# Altium PCB SmartIMU_I2C_Pcb.PcbDoc
Units mil, origin at the board's own origin, x right, y up, seen from the top; angles counter-clockwise.
Board outline 1259.84 x 1653.54 mil, 2 copper layers (Top Layer, Bottom Layer), stack 65.354 mil thick; 70 components, 84 nets, 343 pads, 168 vias.
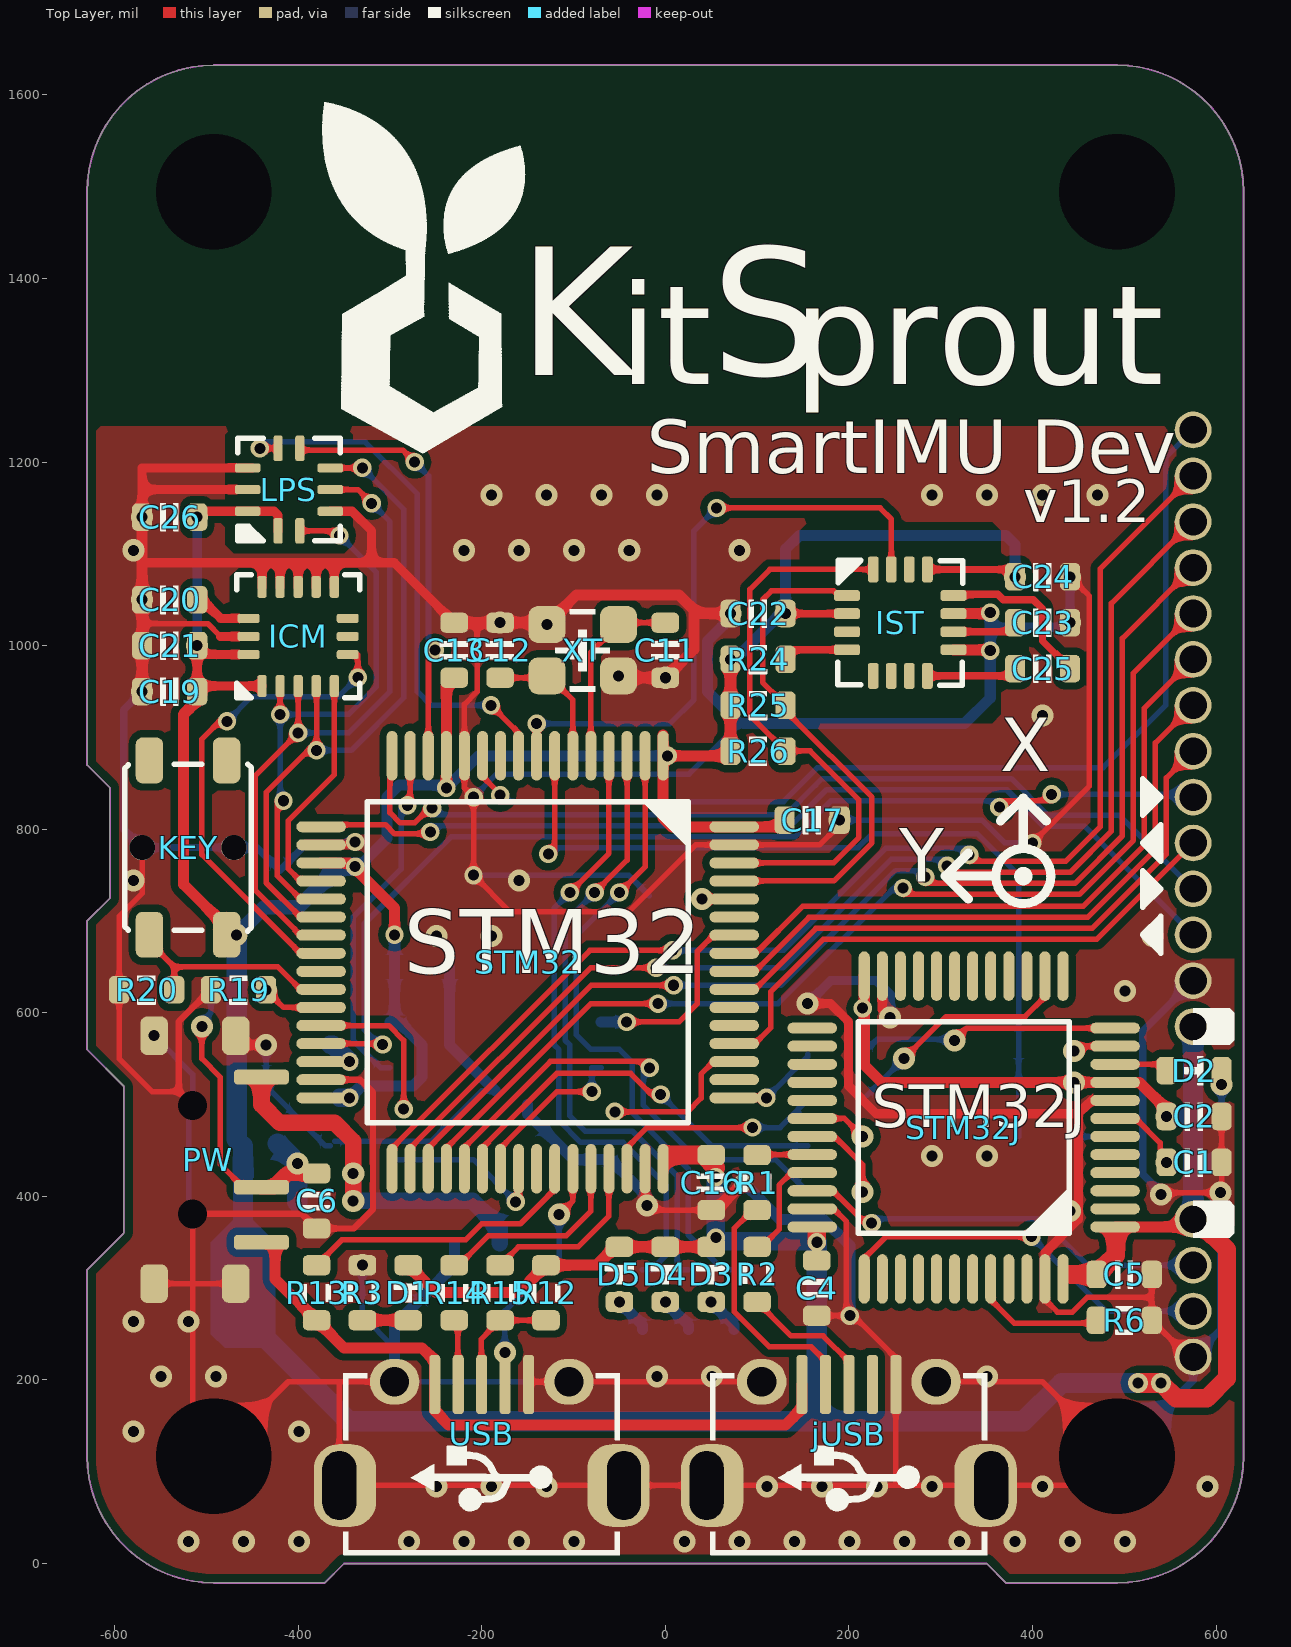
[diagram p0: Top Layer view]
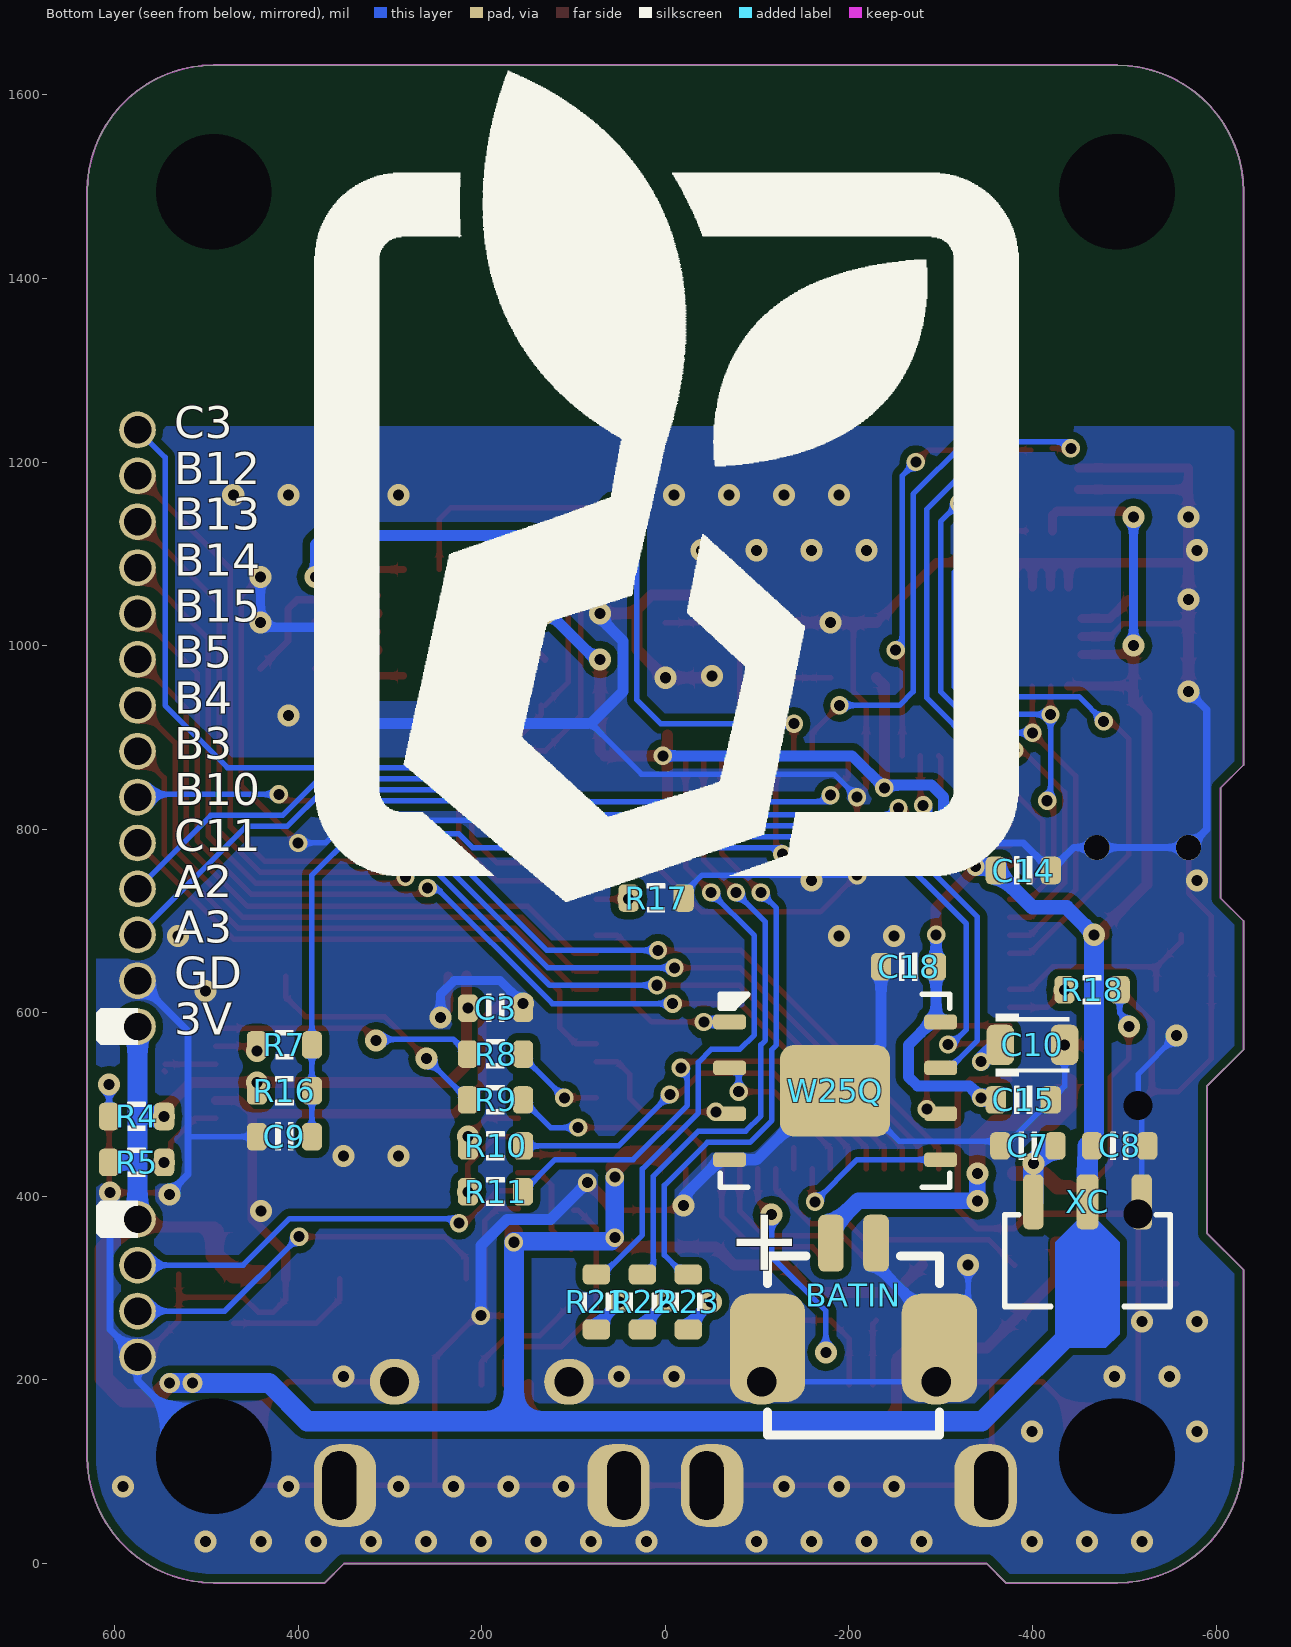
[diagram p1: Bottom Layer view, seen from below]
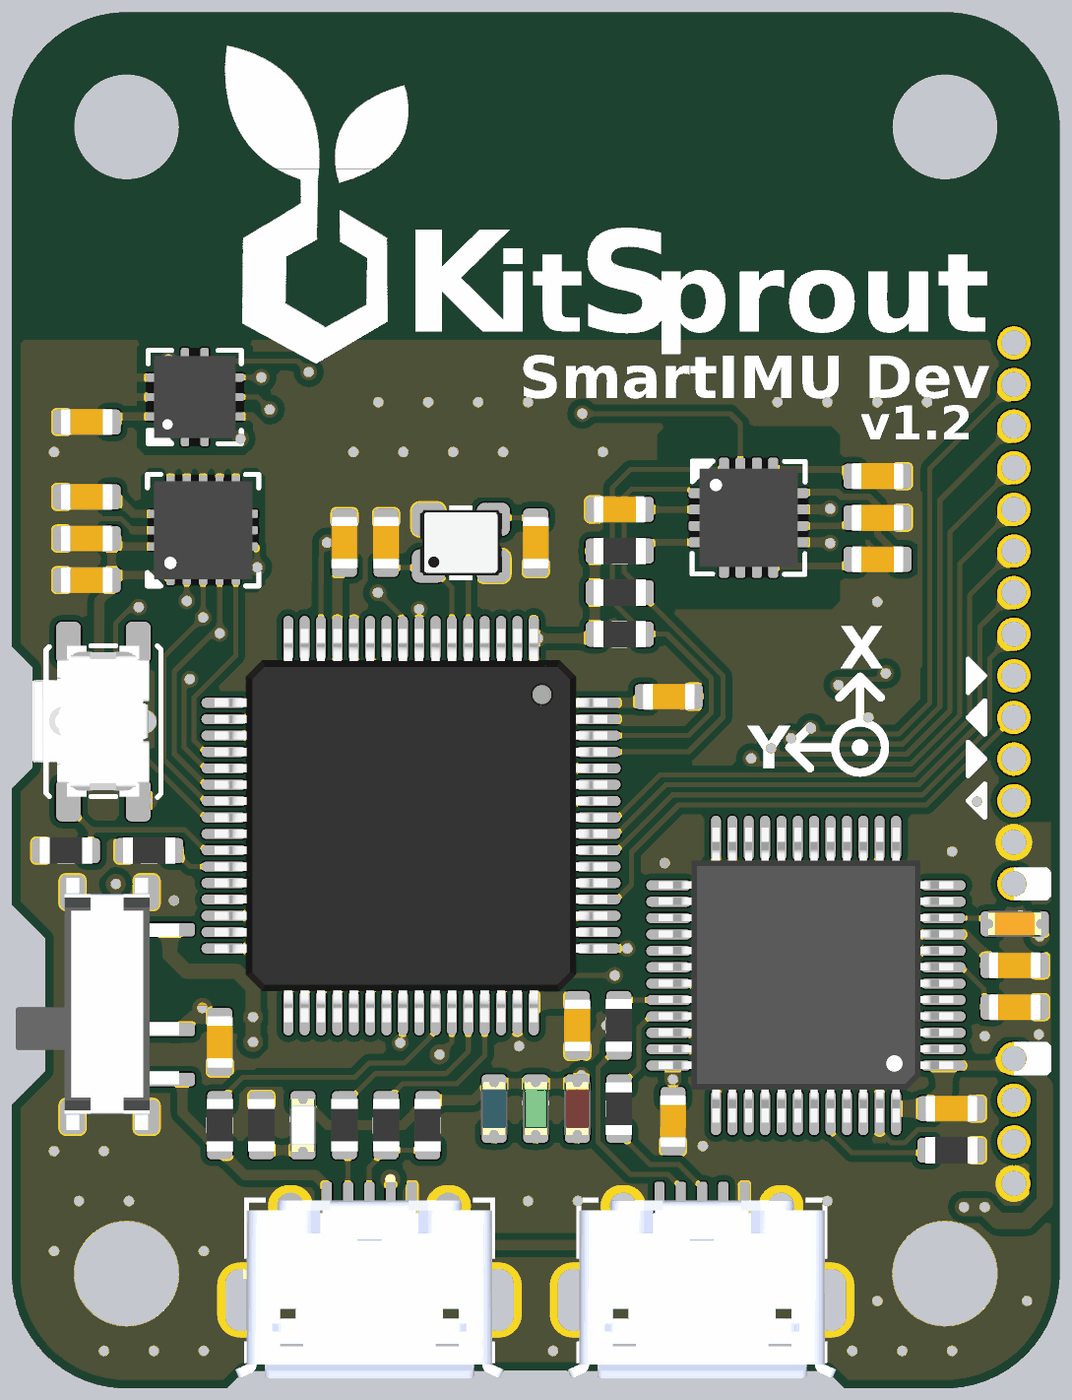
[diagram p2: 3D render of the assembled board from above, using the file's embedded part models]
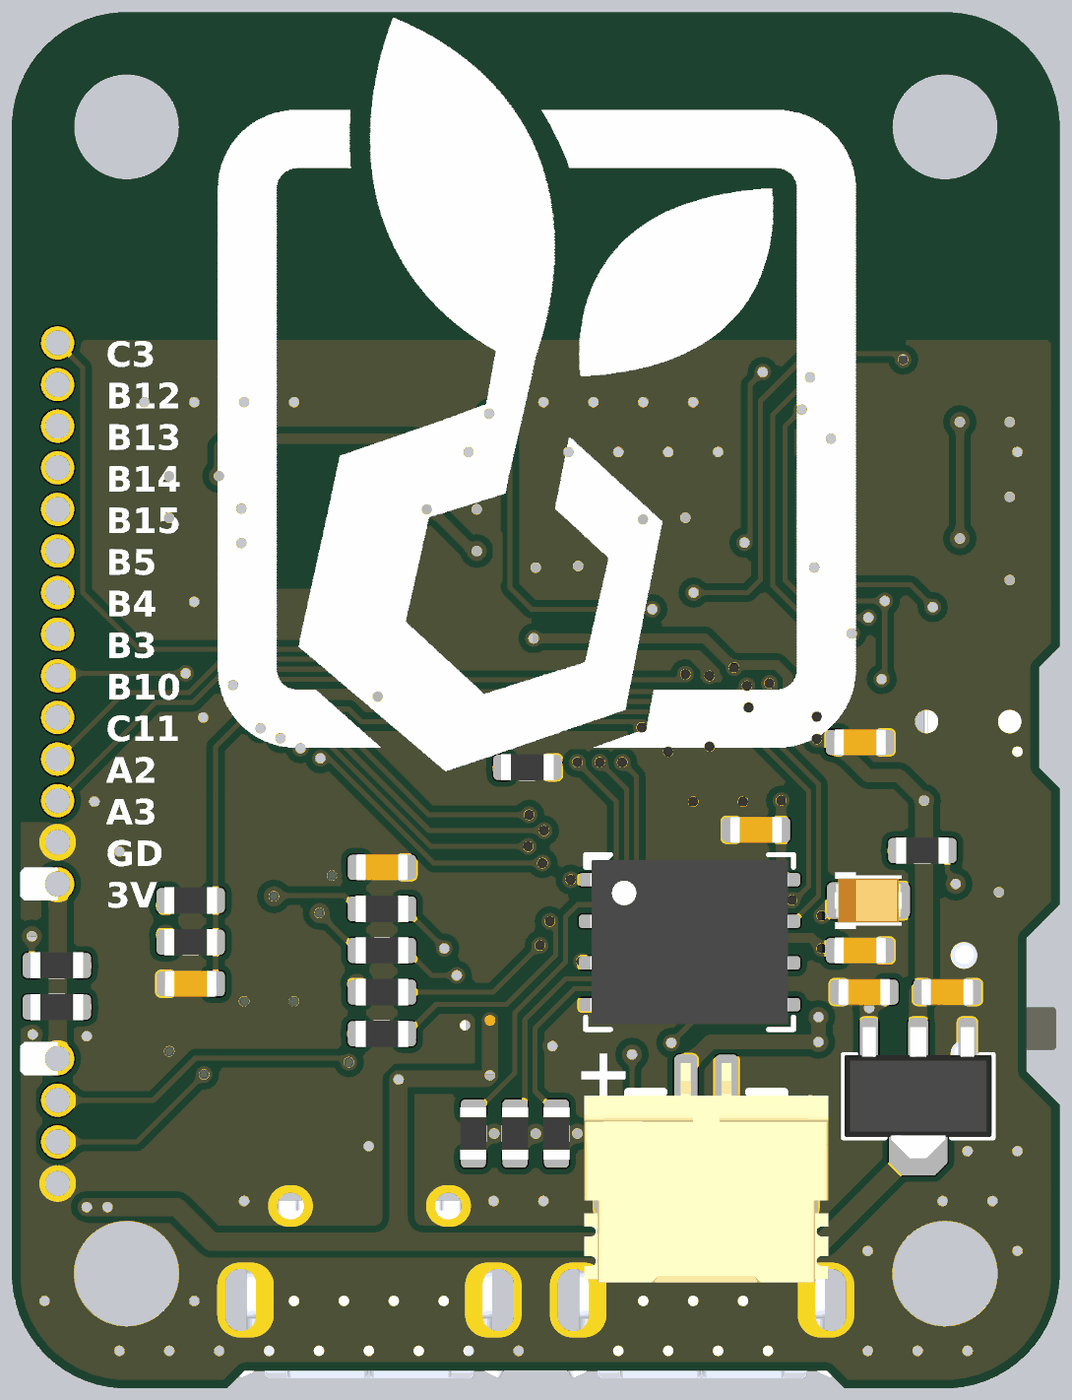
[diagram p3: 3D render of the assembled board from below, using the file's embedded part models]

## Layer stack, top to bottom
Top Solder: solder mask 0.3937, Solder Resist, Dk 3.5
Top Layer: signal copper 1.1811
Dielectric 1: dielectric 62.9921, FR-4, Dk 4.8
Bottom Layer: signal copper 1.1811
Bottom Solder: solder mask 0.3937, Solder Resist, Dk 3.5

## Board outline
-629.92,116.69 -629.92,320.08 -590,360 -590,520 -629.92,559.92 -629.92,700.08 -605,725 -605,845 -629.92,869.92 -629.92,1494.57 cw(c-492.13,1494.57) -492.13,1632.36 -492.05,1632.44 492.13,1632.44 cw(c492.13,1494.65) 629.92,1494.65 629.92,116.69 cw(c492.13,116.69) 492.13,-21.1 371.1,-21.1 350,0 -350,0 -371.1,-21.1 -492.13,-21.1 cw(c-492.13,116.69)

## Design rules (kind name [scope] priority, off if disabled: settings)
BoardOutlineClearance [All] p1: gap=10 except(0: Arc-SplitContinuation Track-SplitContinuation SMDPad-SplitContinuation THPad-SplitContinuation Via-SplitContinuation Fill-SplitContinuation Poly-SplitContinuation Region-SplitContinuation Text-SplitContinuation)
Clearance ClearancePolygon [InPolygon] p1: gap=8
Clearance [All] p2: gap=6
ComponentClearance [All] p1: gap=0 collisioncheckmode=3 verticalgap=0 showdistances=FALSE
Height [All] p1: minheight=0 maxheight=5000 prefheight=500
HoleSize [All] p1: absolutevalues=TRUE maxlimit=200 minlimit=1 maxpercent=80.000 minpercent=20.000
HoleToHoleClearance [All] p1: gap=6 allowstackedmicrovias=TRUE
MinimumAnnularRing [All] p1: minimumring=4
MinimumSolderMaskSliver [All] p1: minsoldermaskwidth=0
PolygonConnect [All] p1: connectstyle=Direct reliefconductorwidth=10 reliefentries=4 polygonreliefangle="90 Angle" airgapwidth=10
RoutingVias [All] p1: holewidth=12 width=24 viastyle="Through Hole" minholewidth=12 minwidth=20 maxholewidth=28 maxwidth=50
SilkToSilkClearance [All] p1: silktosilkclearance=0
SilkToSolderMaskClearance [IsPad] p1: minsilkscreentomaskgap=0 clearancetoexposedcopper=TRUE
SolderMaskExpansion [All] p1: expansion=2
Width [All] p1: maxlimit=100 minlimit=6 preferedwidth=10
23 further rules are at their usual default settings.

## Components (designator, comment, footprint, x,y, rotation, side; value= is the part's Value field where it differs from the comment)
BATIN "MX1.25_2P" MX1.25_S90_2P -205,235 r180 bottom
C1 "Cap_0603" CAP_0603 576,437 r180 top
C2 "Cap_0603" CAP_0603 576,487 r180 top
C3 "Cap_0603" CAP_0603 185,605 r0 bottom
C4 "Cap_0603" CAP_0603 165,300 r90 top
C5 "Cap_0603" CAP_0603 500,315 r180 top
C6 "Cap_0603" CAP_0603 -380,395 r90 top
C7 "Cap_0603" CAP_0603 -395,455 r180 bottom
C8 "Cap_0603" CAP_0603 -495,455 r0 bottom
C9 "Cap_0603" CAP_0603 415,465 r180 bottom
C10 "Cap_Tan_0805" CAP_TAN_P0805 -400,565 r180 bottom
C11 "Cap_0603" CAP_0603 0,995 r270 top
C12 "Cap_0603" CAP_0603 -180,995 r90 top
C13 "Cap_0603" CAP_0603 -230,995 r90 top
C14 "Cap_0603" CAP_0603 -390,755 r180 bottom
C15 "Cap_0603" CAP_0603 -390,505 r180 bottom
C16 "Cap_0603" CAP_0603 50,415 r270 top
C17 "Cap_0603" CAP_0603 160,810 r180 top
C18 "Cap_0603" CAP_0603 -265,650 r0 bottom
C19 "Cap_0603" CAP_0603 -540,950 r180 top
C20 "Cap_0603" CAP_0603 -540,1050 r180 top
C21 "Cap_0603" CAP_0603 -540,1000 r180 top
C22 "Cap_0603" CAP_0603 101,1035 r180 top
C23 "Cap_0603" CAP_0603 411,1025 r0 top
C24 "Cap_0603" CAP_0603 411,1075 r0 top
C25 "Cap_0603" CAP_0603 411,975 r180 top
C26 "Cap_0603" CAP_0603 -540,1140 r180 top
D1 "LED_0603" LED_0603_YELLOW -280,295 r270 top
D2 "LED_0603" LED_0603_ORANGE 576,537 r180 top
D3 "LED_0603" LED_0603_RED 50,315 r270 top
D4 "LED_0603" LED_0603_GREEN 0,315 r270 top
D5 "LED_0603" LED_0603_BLUE -50,315 r270 top
ICM "ICM20602" LGA_P0.5_16 -400,1010 r90 top
IST "IST8310" QFN_P0.5_16 256,1025 r0 top
jUSB "USB_Micro" USB_Micro-AB 200,95 r180 top locked
KEY "ButtonTACT" ButtonTACT_3.5*3.55_90 -520,780 r90 top
LPS "LPS25Hx" HCLGA-2.5x2.5_10 -410,1170 r90 top
PW "SwitchSPDT_2.8x6.6_90" SwitchSPDT_2.8X6.6_90 -515,440 r270 top
R1 "Res_0603" RES_0603 100,415 r90 top
R2 "Res_0603" RES_0603 100,315 r90 top
R3 "Res_0603" RES_0603 -330,295 r270 top
R4 "Res_0603" RES_0603 576,487 r180 bottom
R5 "Res_0603" RES_0603 576,437 r0 bottom
R6 "Res_0603" RES_0603 500,265 r180 top
R7 "Res_0603" RES_0603 415,565 r0 bottom
R8 "Res_0603" RES_0603 185,555 r0 bottom
R9 "Res_0603" RES_0603 185,505 r0 bottom
R10 "Res_0603" RES_0603 185,455 r0 bottom
R11 "Res_0603" RES_0603 185,405 r0 bottom
R12 "Res_0603" RES_0603 -130,295 r270 top
R13 "Res_0603" RES_0603 -380,295 r270 top
R14 "Res_0603" RES_0603 -230,295 r270 top
R15 "Res_0603" RES_0603 -180,295 r270 top
R16 "Res_0603" RES_0603 415,515 r0 bottom
R17 "Res_0603" RES_0603 10,725 r0 bottom
R18 "Res_0603" RES_0603 -465,625 r0 bottom
R19 "Res_0603" RES_0603 -465,625 r180 top
R20 "Res_0603" RES_0603 -565,625 r0 top
R21 "Res_0603" RES_0603 75,285 r90 bottom
R22 "Res_0603" RES_0603 25,285 r90 bottom
R23 "Res_0603" RES_0603 -25,285 r90 bottom
R24 "Res_0603" RES_0603 101,985 r180 top
R25 "Res_0603" RES_0603 101,935 r0 top
R26 "Res_0603" RES_0603 101,885 r0 top
STM32 "STM32F412R" LQFP_P0.5_64 -150,655 r270 top locked
STM32J "STM32F072C" LQFP_P0.5_48 325,475 r180 top locked
USB "USB_Micro" USB_Micro-AB -200,95 r180 top locked
W25Q "W25Q128FV" SON_P1.27H_8 -185,515 r180 bottom
XC "XC6220" SOT89-3 -460,330 r270 bottom
XT "XTAL_2520_4P" XT_2520_4 -90,995 r0 top

## Footprints (in the part's own frame and the unit in brackets; to place one, negate y for a bottom-side part, rotate by r counter-clockwise, add the part's x,y. Pads: shape width x height; smd on the part's side, far side on the other; paste and mask are expansions set on the pad)
ButtonTACT_3.5*3.55_90 [mil]
  round 27.56 hole 27.56 mask+0: 0(-0.01,-50) 0(0,50)
  rrect50% 50x30 smd: 1(-95,42) 2(-95,-42) 3(95,42) 4(95,-42)
  silkscreen extent -91,-69 91,69, body extent -90,-55 91,85, height 56
CAP_0603 [mil]
  rrect50% 22x30 smd: 1(-30,0) 2(30,0)
  silkscreen extent -10,-15 10,15, body extent -31,-16 31,16, height 31
CAP_TAN_P0805 [mil]
  rrect50% 30x44 smd: 1(-35,0) 2(35,0)
  silkscreen extent -40,-34 40,34, body extent -40,-27 40,27, height 59
HCLGA-2.5x2.5_10 [mil]
  rrect50% 28x10 smd: 1(-45,11.81) 2(-45,-11.81) 6(45,-11.81) 7(45,11.81)
  rrect50% 10x28 smd: 3(-23.62,-45) 4(0,-45) 5(23.62,-45) 8(23.62,45) 9(0,45) 10(-23.62,45)
  silkscreen extent -56,-56 56,56, body extent -49,-49 49,49, height 31
LED_0603_BLUE [mil]
  rrect50% 22x30 smd: 1(-30,0) 2(30,0)
  silkscreen extent -10,-16 10,16, body extent -32,-16 32,16, height 24
LED_0603_GREEN [mil]
  rrect50% 22x30 smd: 1(-30,0) 2(30,0)
  silkscreen extent -10,-16 10,16, body extent -32,-16 32,16, height 24
LED_0603_ORANGE [mil]
  rrect50% 22x30 smd: 1(-30,0) 2(30,0)
  silkscreen extent -10,-16 10,16, body extent -32,-16 32,16, height 24
LED_0603_RED [mil]
  rrect50% 22x30 smd: 1(-30,0) 2(30,0)
  silkscreen extent -10,-16 10,16, body extent -32,-16 32,16, height 24
LED_0603_YELLOW [mil]
  rrect50% 22x30 smd: 1(-30,0) 2(30,0)
  silkscreen extent -10,-16 10,16, body extent -32,-16 32,16, height 24
LGA_P0.5_16 [mil]
  rrect50% 24x10 smd: 1(-54,39.37) 2(-54,19.68) 3(-54,0) 4(-54,-19.69) 5(-54,-39.37) 9(54,-39.37) 10(54,-19.69) 11(54,0) 12(54,19.68) 13(54,39.37)
  rrect50% 10x24 smd: 6(-19.69,-54) 7(0,-54) 8(19.69,-54) 14(19.69,54) 15(0,54) 16(-19.69,54)
  silkscreen extent -67,-67 67,67, body extent -59,-59 59,59, height 30
LQFP_P0.5_48 [mil]
  oval 54x12 smd: 1(-165,108.27) 2(-165,88.58) 3(-165,68.9) 4(-165,49.21) 5(-165,29.53) 6(-165,9.84) 7(-165,-9.84) 8(-165,-29.53) 9(-165,-49.21) 10(-165,-68.9) 11(-165,-88.58) 12(-165,-108.27) 25(165,-108.27) 26(165,-88.58) 27(165,-68.9) 28(165,-49.21) 29(165,-29.53) 30(165,-9.84) 31(165,9.84) 32(165,29.53) 33(165,49.21) 34(165,68.9) 35(165,88.58) 36(165,108.27)
  oval 12x54 smd: 13(-108.27,-165) 14(-88.58,-165) 15(-68.9,-165) 16(-49.21,-165) 17(-29.53,-165) 18(-9.84,-165) 19(9.84,-165) 20(29.53,-165) 21(49.21,-165) 22(68.9,-165) 23(88.58,-165) 24(108.27,-165) 37(108.27,165) 38(88.58,165) 39(68.9,165) 40(49.21,165) 41(29.53,165) 42(9.84,165) 43(-9.84,165) 44(-29.53,165) 45(-49.21,165) 46(-68.9,165) 47(-88.58,165) 48(-108.27,165)
  silkscreen extent -115,-115 115,115, body extent -177,-178 177,177, height 61
LQFP_P0.5_64 [mil]
  oval 54x12 smd: 1(-225,147.64) 2(-225,127.95) 3(-225,108.27) 4(-225,88.58) 5(-225,68.9) 6(-225,49.21) 7(-225,29.53) 8(-225,9.84) 9(-225,-9.84) 10(-225,-29.53) 11(-225,-49.21) 12(-225,-68.9) 13(-225,-88.58) 14(-225,-108.27) 15(-225,-127.95) 16(-225,-147.64) 33(225,-147.64) 34(225,-127.95) 35(225,-108.27) 36(225,-88.58) 37(225,-68.9) 38(225,-49.21) 39(225,-29.53) 40(225,-9.84) 41(225,9.84) 42(225,29.53) 43(225,49.21) 44(225,68.9) 45(225,88.58) 46(225,108.27) 47(225,127.95) 48(225,147.64)
  oval 12x54 smd: 17(-147.64,-225) 18(-127.95,-225) 19(-108.27,-225) 20(-88.58,-225) 21(-68.9,-225) 22(-49.21,-225) 23(-29.53,-225) 24(-9.84,-225) 25(9.84,-225) 26(29.53,-225) 27(49.21,-225) 28(68.9,-225) 29(88.58,-225) 30(108.27,-225) 31(127.95,-225) 32(147.64,-225) 49(147.64,225) 50(127.95,225) 51(108.27,225) 52(88.58,225) 53(68.9,225) 54(49.21,225) 55(29.53,225) 56(9.84,225) 57(-9.84,225) 58(-29.53,225) 59(-49.21,225) 60(-68.9,225) 61(-88.58,225) 62(-108.27,225) 63(-127.95,225) 64(-147.64,225)
  silkscreen extent -175,-175 175,175, body extent -236,-236 236,236, height 59
MX1.25_S90_2P [mil]
  rrect50% 82x118 smd: 0(-93.58,0) 0(93.58,0)
  rrect50% 28x62 smd: 1(-24.61,114) 2(24.61,114)
  silkscreen extent -94,-95 94,100, body extent -147,-129 147,135, height 98
QFN_P0.5_16 [mm]
  rrect50% 0.72x0.3 smd: 1(-1.473,0.75) 2(-1.473,0.25) 3(-1.473,-0.25) 4(-1.473,-0.75) 9(1.473,-0.75) 10(1.473,-0.25) 11(1.473,0.25) 12(1.473,0.75)
  rrect50% 0.3x0.72 smd: 5(-0.75,-1.473) 6(-0.25,-1.473) 7(0.25,-1.473) 8(0.75,-1.473) 13(0.75,1.473) 14(0.25,1.473) 15(-0.25,1.473) 16(-0.75,1.473)
  silkscreen extent -1.73,-1.73 1.73,1.73, body extent -1.5,-1.5 1.5,1.5, height 1
RES_0603 [mil]
  rrect50% 22x30 smd: 1(-30,0) 2(30,0)
  silkscreen extent -10,-16 10,16, body extent -31,-16 31,16, height 18
SON_P1.27H_8 [mil] "SON, 8-Leads, Body 5.00x6.00mm, Pitch 1.27mm, Thermal Pad 3.40x4.30mm, IPC High Density"
  rrect50% 36x16 smd: 1(-115,75) 2(-115,25) 3(-115,-25) 4(-115,-75) 5(115,-75) 6(115,-25) 7(115,25) 8(115,75)
  rrect30% 120x100 smd paste-84.65: 9(0,0)
  silkscreen extent -125,-105 125,105, body extent -119,-98 119,98, height 30